# KiCad board procyon_57x80.kicad_pcb (continued)
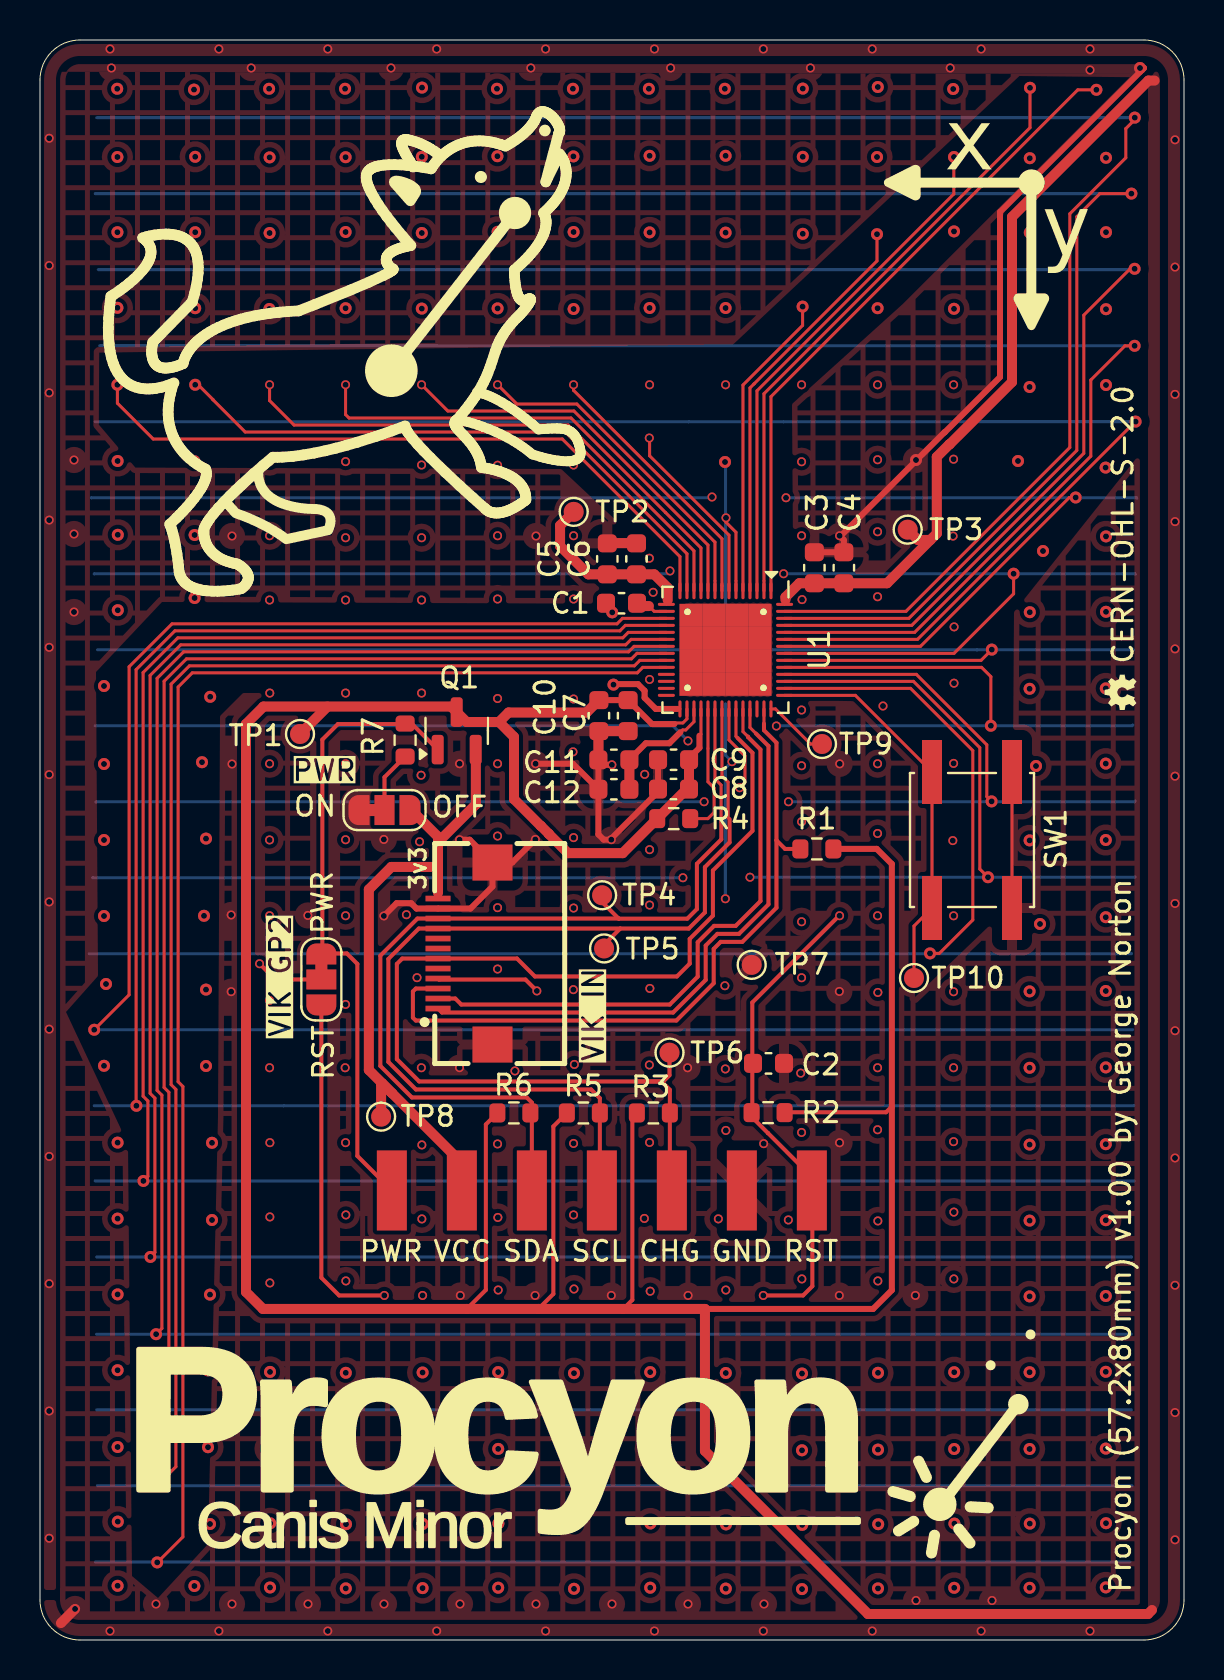
[diagram p0: board, top side]
## Routing (per net, layer and track width the routed paths; a pad name or vN(x,y) marks a point on that pad's centre or on a via; arc(x,y) is an arc through that point) (continued)
/X13: length 113.6
  Top w0.15: U1.14 32,54.17 26.12,60.05 5.66,60.05 3.87,61.84 v2(3.87,62.76)
  In2.Cu w0.15: 3.7,32.8 3.88,32.62 3.88,28.78 3.81,28.71 v2(3.2,28.71) 3.7,28.71 3.88,28.53 v2(3.88,24.87) v2(3.88,21.07) v2(3.88,17.28) v2(3.88,13.49) v2(3.88,9.65) 3.88,5.93 v2(3.89,5.92) 3.89,2.72 v2(3.88,2.71) ; 3.7,32.8 v2(3.3,32.8) ; 3.7,32.8 3.88,32.98 3.88,36.02 3.7,36.2 ; 3.7,36.2 3.88,36.38 3.88,39.82 3.7,40 ; 3.7,36.2 v2(3.2,36.2) ; 3.7,40 3.88,40.18 3.88,43.52 3.6,43.8 v2(3.2,43.8) 3.7,43.8 3.88,43.98 3.88,47.52 3.7,47.7 ; 3.7,40 v2(3.2,40) ; 3.7,47.7 v2(3.2,47.7) ; 3.7,47.7 3.89,47.89 v2(3.89,51.49) v2(3.89,55.26) 3.88,55.27 v2(3.88,58.95) 3.88,62.75 ; v2(3.87,62.76) v2(3.87,66.61) v2(3.87,70.39) v2(3.87,74.15) 3.87,77.55 v2(3.86,77.56)
/XVDD: length 9.1
  Top w0.15: U1.15 31.32,51.93 31.38,52
  Top w0.5: TP2.1 26,55.73 26,54.7 27.42,53.28 C5.1 C6.1 30.71,53.28 31.38,52.61 31.38,52
/Y0: length 87.4
  Top w0.15: U1.55 43.3,51.43 51.49,59.62 51.49,71.31 54.29,74.11 54.29,75.57 54.74,76.02 v2(54.74,76.12) 54.71,76.09
  Bottom w0.15: v2(54.74,76.12) 2.84,76.12
/Y1: length 84.9
  Top w0.15: v2(54.57,72.32) 52.99,72.32 51.84,71.17 51.84,59.48 43.44,51.08 U1.54
  Bottom w0.15: 54.49,72.32 v2(54.57,72.32) 2.76,72.32
/Y2: length 80.9
  Top w0.15: U1.53 43.59,50.73 52.19,59.33 52.19,66.24 54.51,68.56 v2(54.73,68.56)
  Bottom w0.15: 54.65,68.52 54.61,68.52 v2(54.73,68.56) 54.69,68.52 2.92,68.52
/Y3: length 77.4
  Top w0.15: v2(54.73,64.71) 54.25,64.71 52.54,63 52.54,59.19 43.73,50.38 U1.52
  Bottom w0.15: 54.72,64.72 v2(54.73,64.71) 2.99,64.72
/Y4: length 74.1
  Top w0.15: U1.51 43.88,50.03 54.77,60.92 v2(54.78,60.92)
  Bottom w0.15: 54.79,60.91 v2(54.78,60.92) 37.18,60.91 2.75,60.91
/Y5: length 69.9
  Top w0.15: U1.50 44.02,49.68 51.47,57.13 v2(51.78,57.13)
  In2.Cu w0.15: v1(33.6,57.15) 37.26,57.15 v1(37.3,57.11)
  Bottom w0.15: 54.84,57.09 54.82,57.11 v1(37.3,57.11) ; v1(33.6,57.15) 33.56,57.11 2.57,57.11 2.57,57.11
/Y6: length 65.9
  Top w0.15: U1.49 45.7,49.33 48.68,52.31 v2(48.68,53.31)
  In2.Cu w0.15: v1(31.5,53.45) 31.64,53.31 v1(37.18,53.31)
  Bottom w0.15: 54.77,53.29 54.75,53.31 v2(48.68,53.31) v1(37.18,53.31) ; v1(31.5,53.45) 31.36,53.31 2.72,53.31 2.71,53.3
/Y7: length 62.4
  Top w0.15: U1.48 47.05,48.98 v2(47.59,49.52)
  Bottom w0.15: 54.67,49.51 47.6,49.51 v2(47.59,49.52) 47.58,49.51 46.83,49.51 46.83,49.51 2.88,49.51
/Y8: length 65.6
  Top w0.15: U1.47 47.08,48.63 47.54,48.17 v2(47.54,45.71)
  In2.Cu w0.15: v1(32.4,44.96) 33.16,45.71 36.81,45.71 v1(36.82,45.7)
  Bottom w0.15: v1(36.82,45.7) 36.83,45.71 v2(47.54,45.71) 54.6,45.71 54.64,45.75 ; 2.76,45.71 31.64,45.71 v1(32.4,44.96) ; 10.33,45.71 10.29,45.75
/Y9: length 66.5
  Top w0.15: U1.46 43.82,48.28 47.34,44.76 47.34,42.17 v2(47.58,41.93)
  In2.Cu w0.15: v1(33.2,41.91) v1(37.42,41.91)
  Bottom w0.15: v1(33.2,41.91) 2.81,41.91 2.79,41.89 ; v1(37.42,41.91) 54.72,41.91 54.76,41.95
/Y10: length 70
  Top w0.15: U1.45 43.67,47.93 46.99,44.62 46.99,38.55 v2(47.4,38.14)
  In2.Cu w0.15: v1(35.5,38.14) 35.47,38.11 v1(32.14,38.11)
  Bottom w0.15: v1(32.14,38.11) 2.65,38.11 2.64,38.12 ; 10.23,38.11 10.19,38.15 ; 54.76,38.16 54.74,38.14 v2(47.4,38.14) v1(35.5,38.14)
/Y11: length 74.2
  Top w0.15: U1.44 43.53,47.58 46.64,44.47 46.64,36 44.97,34.33 v2(44.5,34.33)
  Bottom w0.15: 54.57,34.32 54.56,34.31 44.52,34.31 v2(44.5,34.33) 44.48,34.31 2.46,34.31 ; 10.23,34.31 10.19,34.35
/Y12: length 98.8
  Top w0.15: v2(2.71,30.51) 4.46,32.26 4.46,48.66 6.6,50.81 28.85,50.81 29.12,51.08 U1.17
  Bottom w0.15: 54.63,30.51 v2(2.71,30.51) 2.53,30.51
/Y13: length 101.2
  Top w0.15: v2(4.82,26.71) 4.8,26.73 4.8,48.52 6.74,50.46 28.99,50.46 29.27,50.73 U1.18
  Bottom w0.15: 54.69,26.73 54.67,26.71 12.19,26.71 12.19,26.71 2.71,26.71
/Y14: length 104.6
  Top w0.15: U1.19 29.41,50.38 29.14,50.11 6.89,50.11 5.16,48.37 5.16,27.19 5.39,26.95 5.39,23.18 v2(5.17,22.95)
  Bottom w0.15: 2.75,22.95 54.71,22.95
/Y15: length 107.6
  Top w0.15: v2(5.52,19.15) 5.75,19.38 5.75,27.09 5.51,27.33 5.51,48.23 7.03,49.76 29.28,49.76 29.56,50.03 U1.20
  Bottom w0.15: 54.57,19.15 54.57,19.15 2.83,19.15
/Y16: length 110.9
  Top w0.15: U1.21 29.7,49.68 29.43,49.41 7.18,49.41 5.86,48.08 5.86,27.48 6.1,27.24 6.1,15.58 v2(5.8,15.29)
  Bottom w0.15: 54.56,15.29 2.83,15.29
/Y17: length 114.2
  Top w0.15: v2(5.82,11.51) 6.45,12.13 6.45,27.38 6.21,27.62 6.21,47.94 7.32,49.06 29.57,49.06 29.85,49.33 U1.22
  Bottom w0.15: 2.84,11.51 v2(5.82,11.51) 54.57,11.51
/Y18: length 117.6
  Top w0.15: U1.23 29.99,48.98 29.72,48.71 7.47,48.71 6.55,47.79 6.55,27.77 6.8,27.53 6.8,8.66 v2(5.84,7.71)
  Bottom w0.15: 54.6,7.71 v2(5.84,7.71) 2.87,7.71
/Y19: length 121
  Top w0.15: 5.87,3.88 5.86,3.87 v2(5.86,3.88) 5.87,3.88 ; 5.87,3.88 7.14,5.16 7.14,27.67 6.91,27.91 6.91,47.65 7.61,48.36 29.86,48.36 30.14,48.63 U1.24
  Bottom w0.15: 54.5,3.9 2.77,3.9
Net-(J2-GPIO_AD2): length 23.1
  Top w0.2: v1(10.98,33.81) 11.76,33.03 JP1.2 ; v1(24.84,32.45) 24.27,33.02 19.95,33.02 J2.4
  In1.Cu w0.2: v1(24.84,32.45) 24.82,32.43 12.36,32.43 v1(10.98,33.81)
Net-(JP2-C): length 3.1
  Top w0.2: R7.1 17.22,43.14 JP2.2
Net-(U1-EXCAP0): length 8.3
  Top w0.15: 31.88,46.55 U1.29
  Top w0.3: v2(28.67,47.77) 28.7,47.79 29.9,47.79 30.23,47.46 30.23,47.11 30.79,46.55 31.88,46.55 ; C1.2 28.61,51.53 v2(28.61,51.38)
  In1.Cu w0.3: v2(28.67,47.77) 28.63,47.81 28.63,51.36 v2(28.61,51.38)
Net-(U1-EXCAP1): length 1.6
  Top w0.15: 30.44,51.7 30.71,51.43 U1.16
  Top w0.5: 30.44,51.7 29.99,51.7 C1.1
Net-(U1-TEST): length 6.6
  Top w0.15: R4.2 33.39,41.07 33.7,41.38 33.7,42.6 33.4,42.91 U1.33
Net-(U1-VDDCORE): length 6.1
  Top w0.15: 32.02,45.39 32.13,45.5 32.29,45.5 32.7,45.91 U1.31
  Top w0.3: 32.02,45.39 31.47,44.84 30.29,44.84 29.47,44.02
  Top w0.5: C12.2 C11.2 29.47,44.02

## Copper pours and planes (outline as drawn; the poured copper is in the pictures)
+3.3V on Top: 55.4,78.3 57.59,79.88 57.59,-0.59 55.4,-0.6
GND on Top: -0.08,79.78 57.68,79.98 55.3,78.3 -0.1,78.41
GND on Top, In1.Cu: 56.4,77.79 55.99,78.79 54.99,79.2 2.21,79.2 1.21,78.79 0.8,77.79 0.8,2.21 1.21,1.21 2.21,0.8 54.99,0.8 55.99,1.21 56.4,2.21
/Guard on Top, Bottom: 55.2,80.8 55.28,80.8 55.51,80.78 55.82,80.73 56.12,80.64 56.41,80.52 56.69,80.37 56.95,80.19 57.18,79.98 57.39,79.75 57.57,79.49 57.72,79.21 57.84,78.92 57.93,78.62 57.98,78.31 58,78.08 58,78 58,2 58,1.92 57.98,1.69 57.93,1.38 57.84,1.08 57.72,0.79 57.57,0.51 57.39,0.25 57.18,0.02 56.95,-0.19 56.69,-0.37 56.41,-0.52 56.12,-0.64 55.82,-0.73 55.51,-0.78 55.28,-0.8 55.2,-0.8 2,-0.8 1.92,-0.8 1.69,-0.78 1.38,-0.73 1.08,-0.64 0.79,-0.52 0.51,-0.37 0.25,-0.19 0.02,0.02 -0.19,0.25 -0.37,0.51 -0.52,0.79 -0.64,1.08 -0.73,1.38 -0.78,1.69 -0.8,1.92 -0.8,2 -0.8,78 -0.8,78.08 -0.78,78.31 -0.73,78.62 -0.64,78.92 -0.52,79.21 -0.37,79.49 -0.19,79.75 0.02,79.98 0.25,80.19 0.51,80.37 0.79,80.52 1.08,80.64 1.38,80.73 1.69,80.78 1.92,80.8 2,80.8 ; 1 cut-out
/X0 on Bottom: 54.99,47.6 53.3,45.91 51.61,47.6 53.3,49.29
/X0 on Bottom: 54.99,28.6 53.3,26.91 51.61,28.6 53.3,30.29
/X0 on Bottom: 54.99,55.2 53.3,53.51 51.61,55.2 53.3,56.89
/X0 on Bottom: 54.99,66.6 53.3,64.91 51.61,66.6 53.3,68.29
/X0 on Bottom: 54.99,9.6 53.3,7.91 51.61,9.6 53.3,11.29
/X0 on Bottom: 54.99,62.8 53.3,61.11 51.61,62.8 53.3,64.49
/X0 on Bottom: 54.99,40 53.3,38.31 51.61,40 53.3,41.69
/X0 on Bottom: 54.99,13.4 53.3,11.71 51.61,13.4 53.3,15.09
/X0 on Bottom: 54.99,32.4 53.3,30.71 51.61,32.4 53.3,34.09
/X0 on Bottom: 54.79,2.19 54.2,2 51.61,2 53.3,3.69
/X0 on Bottom: 54.99,51.4 53.3,49.71 51.61,51.4 53.3,53.09
/X0 on Bottom: 54.99,70.4 53.3,68.71 51.61,70.4 53.3,72.09
/X0 on Bottom: 54.99,5.8 53.3,4.11 51.61,5.8 53.3,7.49
/X0 on Bottom: 54.99,24.8 53.3,23.11 51.61,24.8 53.3,26.49
/X0 on Bottom: 54.99,59 53.3,57.31 51.61,59 53.3,60.69
/X0 on Bottom: 54.99,17.2 53.3,15.51 51.61,17.2 53.3,18.89
/X0 on Bottom: 54.79,77.81 53.3,76.31 51.61,78 54.2,78
/X0 on Bottom: 54.99,36.2 53.3,34.51 51.61,36.2 53.3,37.89
/X0 on Bottom: 54.99,74.2 53.3,72.51 51.61,74.2 53.3,75.89
/X0 on Bottom: 54.99,43.8 53.3,42.11 51.61,43.8 53.3,45.49
/X0 on Bottom: 54.99,21 53.3,19.31 51.61,21 53.3,22.69
/X1 on Bottom: 51.19,47.6 49.5,45.91 47.81,47.6 49.5,49.29
/X1 on Bottom: 51.19,62.8 49.5,61.11 47.81,62.8 49.5,64.49
/X1 on Bottom: 51.19,9.6 49.5,7.91 47.81,9.6 49.5,11.29
/X1 on Bottom: 51.19,24.8 49.5,23.11 47.81,24.8 49.5,26.49
/X1 on Bottom: 51.19,28.6 49.5,26.91 47.81,28.6 49.5,30.29
/X1 on Bottom: 51.19,17.2 49.5,15.51 47.81,17.2 49.5,18.89
/X1 on Bottom: 51.19,2 47.81,2 49.5,3.69
/X1 on Bottom: 51.19,32.4 49.5,30.71 47.81,32.4 49.5,34.09
/X1 on Bottom: 49.5,76.31 47.81,78 51.19,78
/X1 on Bottom: 51.19,5.8 49.5,4.11 47.81,5.8 49.5,7.49
/X1 on Bottom: 51.19,55.2 49.5,53.51 47.81,55.2 49.5,56.89
/X1 on Bottom: 51.19,70.4 49.5,68.71 47.81,70.4 49.5,72.09
/X1 on Bottom: 51.19,66.6 49.5,64.91 47.81,66.6 49.5,68.29
/X1 on Bottom: 51.19,43.8 49.5,42.11 47.81,43.8 49.5,45.49
/X1 on Bottom: 51.19,74.2 49.5,72.51 47.81,74.2 49.5,75.89
/X1 on Bottom: 51.19,21 49.5,19.31 47.81,21 49.5,22.69
/X1 on Bottom: 51.19,59 49.5,57.31 47.81,59 49.5,60.69
/X1 on Bottom: 51.19,36.2 49.5,34.51 47.81,36.2 49.5,37.89
/X1 on Bottom: 51.19,40 49.5,38.31 47.81,40 49.5,41.69
/X1 on Bottom: 51.19,51.4 49.5,49.71 47.81,51.4 49.5,53.09
/X1 on Bottom: 51.19,13.4 49.5,11.71 47.81,13.4 49.5,15.09
/X2 on Bottom: 47.39,9.6 45.7,7.91 44.01,9.6 45.7,11.29
/X2 on Bottom: 47.39,36.2 45.7,34.51 44.01,36.2 45.7,37.89
/X2 on Bottom: 47.39,55.2 45.7,53.51 44.01,55.2 45.7,56.89
/X2 on Bottom: 47.39,59 45.7,57.31 44.01,59 45.7,60.69
/X2 on Bottom: 47.39,5.8 45.7,4.11 44.01,5.8 45.7,7.49
/X2 on Bottom: 47.39,24.8 45.7,23.11 44.01,24.8 45.7,26.49
/X2 on Bottom: 47.39,2 44.01,2 45.7,3.69
/X2 on Bottom: 47.39,74.2 45.7,72.51 44.01,74.2 45.7,75.89
/X2 on Bottom: 47.39,40 45.7,38.31 44.01,40 45.7,41.69
/X2 on Bottom: 47.39,21 45.7,19.31 44.01,21 45.7,22.69
/X2 on Bottom: 45.7,76.31 44.01,78 47.39,78
/X2 on Bottom: 47.39,51.4 45.7,49.71 44.01,51.4 45.7,53.09
/X2 on Bottom: 47.39,47.6 45.7,45.91 44.01,47.6 45.7,49.29
/X2 on Bottom: 47.39,32.4 45.7,30.71 44.01,32.4 45.7,34.09
/X2 on Bottom: 47.39,43.8 45.7,42.11 44.01,43.8 45.7,45.49
/X2 on Bottom: 47.39,70.4 45.7,68.71 44.01,70.4 45.7,72.09
/X2 on Bottom: 47.39,66.6 45.7,64.91 44.01,66.6 45.7,68.29
/X2 on Bottom: 47.39,62.8 45.7,61.11 44.01,62.8 45.7,64.49
/X2 on Bottom: 47.39,17.2 45.7,15.51 44.01,17.2 45.7,18.89
/X2 on Bottom: 47.39,28.6 45.7,26.91 44.01,28.6 45.7,30.29
/X2 on Bottom: 47.39,13.4 45.7,11.71 44.01,13.4 45.7,15.09
/X3 on Bottom: 43.59,74.2 41.9,72.51 40.21,74.2 41.9,75.89
/X3 on Bottom: 43.59,59 41.9,57.31 40.21,59 41.9,60.69
/X3 on Bottom: 43.59,5.8 41.9,4.11 40.21,5.8 41.9,7.49
/X3 on Bottom: 43.59,21 41.9,19.31 40.21,21 41.9,22.69
/X3 on Bottom: 43.59,43.8 41.9,42.11 40.21,43.8 41.9,45.49
/X3 on Bottom: 43.59,51.4 41.9,49.71 40.21,51.4 41.9,53.09
/X3 on Bottom: 43.59,47.6 41.9,45.91 40.21,47.6 41.9,49.29
/X3 on Bottom: 43.59,32.4 41.9,30.71 40.21,32.4 41.9,34.09
/X3 on Bottom: 43.59,13.4 41.9,11.71 40.21,13.4 41.9,15.09
/X3 on Bottom: 43.59,40 41.9,38.31 40.21,40 41.9,41.69
/X3 on Bottom: 43.59,2 40.21,2 41.9,3.69
/X3 on Bottom: 43.59,55.2 41.9,53.51 40.21,55.2 41.9,56.89
/X3 on Bottom: 43.59,62.8 41.9,61.11 40.21,62.8 41.9,64.49
/X3 on Bottom: 43.59,70.4 41.9,68.71 40.21,70.4 41.9,72.09
/X3 on Bottom: 43.59,9.6 41.9,7.91 40.21,9.6 41.9,11.29
/X3 on Bottom: 43.59,28.6 41.9,26.91 40.21,28.6 41.9,30.29
/X3 on Bottom: 43.59,24.8 41.9,23.11 40.21,24.8 41.9,26.49
/X3 on Bottom: 41.9,76.31 40.21,78 43.59,78
/X3 on Bottom: 43.59,36.2 41.9,34.51 40.21,36.2 41.9,37.89
/X3 on Bottom: 43.59,17.2 41.9,15.51 40.21,17.2 41.9,18.89
/X3 on Bottom: 43.59,66.6 41.9,64.91 40.21,66.6 41.9,68.29
/X4 on Bottom: 39.79,74.2 38.1,72.51 36.41,74.2 38.1,75.89
/X4 on Bottom: 39.79,28.6 38.1,26.91 36.41,28.6 38.1,30.29
/X4 on Bottom: 39.79,13.4 38.1,11.71 36.41,13.4 38.1,15.09
/X4 on Bottom: 39.79,5.8 38.1,4.11 36.41,5.8 38.1,7.49
/X4 on Bottom: 39.79,36.2 38.1,34.51 36.41,36.2 38.1,37.89
/X4 on Bottom: 39.79,47.6 38.1,45.91 36.41,47.6 38.1,49.29
/X4 on Bottom: 39.79,9.6 38.1,7.91 36.41,9.6 38.1,11.29
/X4 on Bottom: 39.79,17.2 38.1,15.51 36.41,17.2 38.1,18.89
/X4 on Bottom: 39.79,21 38.1,19.31 36.41,21 38.1,22.69
/X4 on Bottom: 39.79,70.4 38.1,68.71 36.41,70.4 38.1,72.09
/X4 on Bottom: 39.79,59 38.1,57.31 36.41,59 38.1,60.69
/X4 on Bottom: 39.79,24.8 38.1,23.11 36.41,24.8 38.1,26.49
/X4 on Bottom: 39.79,55.2 38.1,53.51 36.41,55.2 38.1,56.89
/X4 on Bottom: 39.79,43.8 38.1,42.11 36.41,43.8 38.1,45.49
/X4 on Bottom: 39.79,62.8 38.1,61.11 36.41,62.8 38.1,64.49
/X4 on Bottom: 39.79,51.4 38.1,49.71 36.41,51.4 38.1,53.09
/X4 on Bottom: 38.1,76.31 36.41,78 39.79,78
/X4 on Bottom: 39.79,40 38.1,38.31 36.41,40 38.1,41.69
/X4 on Bottom: 39.79,2 36.41,2 38.1,3.69
/X4 on Bottom: 39.79,32.4 38.1,30.71 36.41,32.4 38.1,34.09
/X4 on Bottom: 39.79,66.6 38.1,64.91 36.41,66.6 38.1,68.29
/X5 on Bottom: 35.99,21 34.3,19.31 32.61,21 34.3,22.69
/X5 on Bottom: 35.99,13.4 34.3,11.71 32.61,13.4 34.3,15.09
/X5 on Bottom: 35.99,47.6 34.3,45.91 32.61,47.6 34.3,49.29
/X5 on Bottom: 35.99,66.6 34.3,64.91 32.61,66.6 34.3,68.29
/X5 on Bottom: 34.3,76.31 32.61,78 35.99,78
/X5 on Bottom: 35.99,70.4 34.3,68.71 32.61,70.4 34.3,72.09
/X5 on Bottom: 35.99,2 32.61,2 34.3,3.69
/X5 on Bottom: 35.99,62.8 34.3,61.11 32.61,62.8 34.3,64.49
/X5 on Bottom: 35.99,28.6 34.3,26.91 32.61,28.6 34.3,30.29
/X5 on Bottom: 35.99,43.8 34.3,42.11 32.61,43.8 34.3,45.49
/X5 on Bottom: 35.99,40 34.3,38.31 32.61,40 34.3,41.69
/X5 on Bottom: 35.99,55.2 34.3,53.51 32.61,55.2 34.3,56.89
/X5 on Bottom: 35.99,24.8 34.3,23.11 32.61,24.8 34.3,26.49
/X5 on Bottom: 35.99,5.8 34.3,4.11 32.61,5.8 34.3,7.49
/X5 on Bottom: 35.99,59 34.3,57.31 32.61,59 34.3,60.69
/X5 on Bottom: 35.99,74.2 34.3,72.51 32.61,74.2 34.3,75.89
/X5 on Bottom: 35.99,36.2 34.3,34.51 32.61,36.2 34.3,37.89
/X5 on Bottom: 35.99,51.4 34.3,49.71 32.61,51.4 34.3,53.09
/X5 on Bottom: 35.99,17.2 34.3,15.51 32.61,17.2 34.3,18.89
/X5 on Bottom: 35.99,9.6 34.3,7.91 32.61,9.6 34.3,11.29
/X5 on Bottom: 35.99,32.4 34.3,30.71 32.61,32.4 34.3,34.09
/X6 on Bottom: 32.19,59 30.5,57.31 28.81,59 30.5,60.69
/X6 on Bottom: 32.19,5.8 30.5,4.11 28.81,5.8 30.5,7.49
/X6 on Bottom: 32.19,21 30.5,19.31 28.81,21 30.5,22.69
/X6 on Bottom: 32.19,32.4 30.5,30.71 28.81,32.4 30.5,34.09
/X6 on Bottom: 32.19,43.8 30.5,42.11 28.81,43.8 30.5,45.49
/X6 on Bottom: 32.19,47.6 30.5,45.91 28.81,47.6 30.5,49.29
/X6 on Bottom: 32.19,36.2 30.5,34.51 28.81,36.2 30.5,37.89
/X6 on Bottom: 32.19,28.6 30.5,26.91 28.81,28.6 30.5,30.29
/X6 on Bottom: 32.19,9.6 30.5,7.91 28.81,9.6 30.5,11.29
/X6 on Bottom: 32.19,13.4 30.5,11.71 28.81,13.4 30.5,15.09
/X6 on Bottom: 32.19,17.2 30.5,15.51 28.81,17.2 30.5,18.89
/X6 on Bottom: 32.19,24.8 30.5,23.11 28.81,24.8 30.5,26.49
/X6 on Bottom: 32.19,70.4 30.5,68.71 28.81,70.4 30.5,72.09
/X6 on Bottom: 32.19,62.8 30.5,61.11 28.81,62.8 30.5,64.49
/X6 on Bottom: 32.19,66.6 30.5,64.91 28.81,66.6 30.5,68.29
/X6 on Bottom: 32.19,40 30.5,38.31 28.81,40 30.5,41.69
/X6 on Bottom: 32.19,74.2 30.5,72.51 28.81,74.2 30.5,75.89
/X6 on Bottom: 30.5,76.31 28.81,78 32.19,78
/X6 on Bottom: 32.19,2 28.81,2 30.5,3.69
/X6 on Bottom: 32.19,51.4 30.5,49.71 28.81,51.4 30.5,53.09
/X6 on Bottom: 32.19,55.2 30.5,53.51 28.81,55.2 30.5,56.89
/X7 on Bottom: 28.39,55.2 26.7,53.51 25.01,55.2 26.7,56.89
/X7 on Bottom: 28.39,9.6 26.7,7.91 25.01,9.6 26.7,11.29
/X7 on Bottom: 28.39,24.8 26.7,23.11 25.01,24.8 26.7,26.49
/X7 on Bottom: 28.39,70.4 26.7,68.71 25.01,70.4 26.7,72.09
/X7 on Bottom: 28.39,40 26.7,38.31 25.01,40 26.7,41.69
/X7 on Bottom: 28.39,66.6 26.7,64.91 25.01,66.6 26.7,68.29
/X7 on Bottom: 28.39,2 25.01,2 26.7,3.69
/X7 on Bottom: 28.39,13.4 26.7,11.71 25.01,13.4 26.7,15.09
/X7 on Bottom: 28.39,74.2 26.7,72.51 25.01,74.2 26.7,75.89
/X7 on Bottom: 28.39,51.4 26.7,49.71 25.01,51.4 26.7,53.09
/X7 on Bottom: 28.39,21 26.7,19.31 25.01,21 26.7,22.69
/X7 on Bottom: 28.39,28.6 26.7,26.91 25.01,28.6 26.7,30.29
/X7 on Bottom: 28.39,59 26.7,57.31 25.01,59 26.7,60.69
/X7 on Bottom: 28.39,62.8 26.7,61.11 25.01,62.8 26.7,64.49
/X7 on Bottom: 26.7,76.31 25.01,78 28.39,78
/X7 on Bottom: 28.39,5.8 26.7,4.11 25.01,5.8 26.7,7.49
/X7 on Bottom: 28.39,47.6 26.7,45.91 25.01,47.6 26.7,49.29
/X7 on Bottom: 28.39,36.2 26.7,34.51 25.01,36.2 26.7,37.89
/X7 on Bottom: 28.39,17.2 26.7,15.51 25.01,17.2 26.7,18.89
/X7 on Bottom: 28.39,43.8 26.7,42.11 25.01,43.8 26.7,45.49
/X7 on Bottom: 28.39,32.4 26.7,30.71 25.01,32.4 26.7,34.09
/X8 on Bottom: 24.59,32.4 22.9,30.71 21.21,32.4 22.9,34.09
/X8 on Bottom: 24.59,36.2 22.9,34.51 21.21,36.2 22.9,37.89
/X8 on Bottom: 24.59,74.2 22.9,72.51 21.21,74.2 22.9,75.89
/X8 on Bottom: 24.59,28.6 22.9,26.91 21.21,28.6 22.9,30.29
/X8 on Bottom: 24.59,62.8 22.9,61.11 21.21,62.8 22.9,64.49
/X8 on Bottom: 24.59,47.6 22.9,45.91 21.21,47.6 22.9,49.29
/X8 on Bottom: 24.59,55.2 22.9,53.51 21.21,55.2 22.9,56.89
/X8 on Bottom: 24.59,66.6 22.9,64.91 21.21,66.6 22.9,68.29
/X8 on Bottom: 24.59,59 22.9,57.31 21.21,59 22.9,60.69
/X8 on Bottom: 24.59,13.4 22.9,11.71 21.21,13.4 22.9,15.09
/X8 on Bottom: 24.59,43.8 22.9,42.11 21.21,43.8 22.9,45.49
/X8 on Bottom: 24.59,5.8 22.9,4.11 21.21,5.8 22.9,7.49
/X8 on Bottom: 24.59,2 21.21,2 22.9,3.69
/X8 on Bottom: 24.59,21 22.9,19.31 21.21,21 22.9,22.69
/X8 on Bottom: 24.59,51.4 22.9,49.71 21.21,51.4 22.9,53.09
/X8 on Bottom: 22.9,76.31 21.21,78 24.59,78
/X8 on Bottom: 24.59,17.2 22.9,15.51 21.21,17.2 22.9,18.89
/X8 on Bottom: 24.59,70.4 22.9,68.71 21.21,70.4 22.9,72.09
/X8 on Bottom: 24.59,9.6 22.9,7.91 21.21,9.6 22.9,11.29
/X8 on Bottom: 24.59,24.8 22.9,23.11 21.21,24.8 22.9,26.49
/X8 on Bottom: 24.59,40 22.9,38.31 21.21,40 22.9,41.69
/X9 on Bottom: 20.79,9.6 19.1,7.91 17.41,9.6 19.1,11.29
/X9 on Bottom: 20.79,36.2 19.1,34.51 17.41,36.2 19.1,37.89
/X9 on Bottom: 20.79,74.2 19.1,72.51 17.41,74.2 19.1,75.89
/X9 on Bottom: 20.79,17.2 19.1,15.51 17.41,17.2 19.1,18.89
/X9 on Bottom: 20.79,47.6 19.1,45.91 17.41,47.6 19.1,49.29
/X9 on Bottom: 20.79,28.6 19.1,26.91 17.41,28.6 19.1,30.29
/X9 on Bottom: 20.79,51.4 19.1,49.71 17.41,51.4 19.1,53.09
/X9 on Bottom: 20.79,66.6 19.1,64.91 17.41,66.6 19.1,68.29
/X9 on Bottom: 20.79,55.2 19.1,53.51 17.41,55.2 19.1,56.89
/X9 on Bottom: 20.79,5.8 19.1,4.11 17.41,5.8 19.1,7.49
/X9 on Bottom: 20.79,62.8 19.1,61.11 17.41,62.8 19.1,64.49
/X9 on Bottom: 20.79,13.4 19.1,11.71 17.41,13.4 19.1,15.09
/X9 on Bottom: 20.79,40 19.1,38.31 17.41,40 19.1,41.69
/X9 on Bottom: 20.79,2 17.41,2 19.1,3.69
/X9 on Bottom: 20.79,32.4 19.1,30.71 17.41,32.4 19.1,34.09
/X9 on Bottom: 20.79,21 19.1,19.31 17.41,21 19.1,22.69
/X9 on Bottom: 19.1,76.31 17.41,78 20.79,78
/X9 on Bottom: 20.79,24.8 19.1,23.11 17.41,24.8 19.1,26.49
/X9 on Bottom: 20.79,43.8 19.1,42.11 17.41,43.8 19.1,45.49
/X9 on Bottom: 20.79,59 19.1,57.31 17.41,59 19.1,60.69
/X9 on Bottom: 20.79,70.4 19.1,68.71 17.41,70.4 19.1,72.09
/X10 on Bottom: 16.99,74.2 15.3,72.51 13.61,74.2 15.3,75.89
/X10 on Bottom: 16.99,47.6 15.3,45.91 13.61,47.6 15.3,49.29
/X10 on Bottom: 15.3,76.31 13.61,78 16.99,78
/X10 on Bottom: 16.99,70.4 15.3,68.71 13.61,70.4 15.3,72.09
/X10 on Bottom: 16.99,28.6 15.3,26.91 13.61,28.6 15.3,30.29
/X10 on Bottom: 16.99,9.6 15.3,7.91 13.61,9.6 15.3,11.29
/X10 on Bottom: 16.99,13.4 15.3,11.71 13.61,13.4 15.3,15.09
/X10 on Bottom: 16.99,51.4 15.3,49.71 13.61,51.4 15.3,53.09
/X10 on Bottom: 16.99,32.4 15.3,30.71 13.61,32.4 15.3,34.09
/X10 on Bottom: 16.99,40 15.3,38.31 13.61,40 15.3,41.69
/X10 on Bottom: 16.99,43.8 15.3,42.11 13.61,43.8 15.3,45.49
/X10 on Bottom: 16.99,59 15.3,57.31 13.61,59 15.3,60.69
/X10 on Bottom: 16.99,2 13.61,2 15.3,3.69
/X10 on Bottom: 16.99,55.2 15.3,53.51 13.61,55.2 15.3,56.89
/X10 on Bottom: 16.99,62.8 15.3,61.11 13.61,62.8 15.3,64.49
/X10 on Bottom: 16.99,24.8 15.3,23.11 13.61,24.8 15.3,26.49
/X10 on Bottom: 16.99,36.2 15.3,34.51 13.61,36.2 15.3,37.89
/X10 on Bottom: 16.99,5.8 15.3,4.11 13.61,5.8 15.3,7.49
/X10 on Bottom: 16.99,21 15.3,19.31 13.61,21 15.3,22.69
/X10 on Bottom: 16.99,17.2 15.3,15.51 13.61,17.2 15.3,18.89
/X10 on Bottom: 16.99,66.6 15.3,64.91 13.61,66.6 15.3,68.29
/X11 on Bottom: 13.19,59 11.5,57.31 9.81,59 11.5,60.69
/X11 on Bottom: 13.19,5.8 11.5,4.11 9.81,5.8 11.5,7.49
/X11 on Bottom: 13.19,17.2 11.5,15.51 9.81,17.2 11.5,18.89
/X11 on Bottom: 13.19,21 11.5,19.31 9.81,21 11.5,22.69
/X11 on Bottom: 13.19,51.4 11.5,49.71 9.81,51.4 11.5,53.09
/X11 on Bottom: 13.19,66.6 11.5,64.91 9.81,66.6 11.5,68.29
/X11 on Bottom: 13.19,13.4 11.5,11.71 9.81,13.4 11.5,15.09
/X11 on Bottom: 13.19,40 11.5,38.31 9.81,40 11.5,41.69
/X11 on Bottom: 13.19,70.4 11.5,68.71 9.81,70.4 11.5,72.09
/X11 on Bottom: 13.19,74.2 11.5,72.51 9.81,74.2 11.5,75.89
/X11 on Bottom: 13.19,2 9.81,2 11.5,3.69
/X11 on Bottom: 13.19,24.8 11.5,23.11 9.81,24.8 11.5,26.49
/X11 on Bottom: 13.19,9.6 11.5,7.91 9.81,9.6 11.5,11.29
/X11 on Bottom: 13.19,32.4 11.5,30.71 9.81,32.4 11.5,34.09
/X11 on Bottom: 13.19,62.8 11.5,61.11 9.81,62.8 11.5,64.49
/X11 on Bottom: 13.19,43.8 11.5,42.11 9.81,43.8 11.5,45.49
/X11 on Bottom: 13.19,28.6 11.5,26.91 9.81,28.6 11.5,30.29
/X11 on Bottom: 13.19,36.2 11.5,34.51 9.81,36.2 11.5,37.89
/X11 on Bottom: 13.19,47.6 11.5,45.91 9.81,47.6 11.5,49.29
/X11 on Bottom: 13.19,55.2 11.5,53.51 9.81,55.2 11.5,56.89
/X11 on Bottom: 11.5,76.31 9.81,78 13.19,78
/X12 on Bottom: 9.39,47.6 7.7,45.91 6.01,47.6 7.7,49.29
/X12 on Bottom: 9.39,9.6 7.7,7.91 6.01,9.6 7.7,11.29
/X12 on Bottom: 9.39,43.8 7.7,42.11 6.01,43.8 7.7,45.49
/X12 on Bottom: 9.39,59 7.7,57.31 6.01,59 7.7,60.69
/X12 on Bottom: 9.39,66.6 7.7,64.91 6.01,66.6 7.7,68.29
/X12 on Bottom: 9.39,24.8 7.7,23.11 6.01,24.8 7.7,26.49
/X12 on Bottom: 9.39,28.6 7.7,26.91 6.01,28.6 7.7,30.29
/X12 on Bottom: 9.39,5.8 7.7,4.11 6.01,5.8 7.7,7.49
/X12 on Bottom: 9.39,62.8 7.7,61.11 6.01,62.8 7.7,64.49
/X12 on Bottom: 9.39,40 7.7,38.31 6.01,40 7.7,41.69
/X12 on Bottom: 9.39,17.2 7.7,15.51 6.01,17.2 7.7,18.89
/X12 on Bottom: 9.39,36.2 7.7,34.51 6.01,36.2 7.7,37.89
/X12 on Bottom: 9.39,74.2 7.7,72.51 6.01,74.2 7.7,75.89
/X12 on Bottom: 9.39,32.4 7.7,30.71 6.01,32.4 7.7,34.09
/X12 on Bottom: 7.7,76.31 6.01,78 9.39,78
/X12 on Bottom: 9.39,21 7.7,19.31 6.01,21 7.7,22.69
/X12 on Bottom: 9.39,13.4 7.7,11.71 6.01,13.4 7.7,15.09
/X12 on Bottom: 9.39,51.4 7.7,49.71 6.01,51.4 7.7,53.09
/X12 on Bottom: 9.39,55.2 7.7,53.51 6.01,55.2 7.7,56.89
/X12 on Bottom: 9.39,2 6.01,2 7.7,3.69
/X12 on Bottom: 9.39,70.4 7.7,68.71 6.01,70.4 7.7,72.09
/X13 on Bottom: 5.59,5.8 3.9,4.11 2.21,5.8 3.9,7.49
/X13 on Bottom: 5.59,43.8 3.9,42.11 2.21,43.8 3.9,45.49
/X13 on Bottom: 5.59,70.4 3.9,68.71 2.21,70.4 3.9,72.09
/X13 on Bottom: 5.59,24.8 3.9,23.11 2.21,24.8 3.9,26.49
/X13 on Bottom: 5.59,66.6 3.9,64.91 2.21,66.6 3.9,68.29
/X13 on Bottom: 5.59,40 3.9,38.31 2.21,40 3.9,41.69
/X13 on Bottom: 5.59,47.6 3.9,45.91 2.21,47.6 3.9,49.29
/X13 on Bottom: 5.59,51.4 3.9,49.71 2.21,51.4 3.9,53.09
/X13 on Bottom: 5.59,21 3.9,19.31 2.21,21 3.9,22.69
/X13 on Bottom: 5.59,59 3.9,57.31 2.21,59 3.9,60.69
/X13 on Bottom: 5.59,74.2 3.9,72.51 2.21,74.2 3.9,75.89
/X13 on Bottom: 5.59,17.2 3.9,15.51 2.21,17.2 3.9,18.89
/X13 on Bottom: 5.59,55.2 3.9,53.51 2.21,55.2 3.9,56.89
/X13 on Bottom: 5.59,36.2 3.9,34.51 2.21,36.2 3.9,37.89
/X13 on Bottom: 5.59,13.4 3.9,11.71 2.21,13.4 3.9,15.09
/X13 on Bottom: 5.59,28.6 3.9,26.91 2.21,28.6 3.9,30.29
/X13 on Bottom: 5.59,32.4 3.9,30.71 2.21,32.4 3.9,34.09
/X13 on Bottom: 5.59,9.6 3.9,7.91 2.21,9.6 3.9,11.29
/X13 on Bottom: 5.59,2 3,2 2.41,2.19 3.9,3.69
/X13 on Bottom: 3.9,76.31 2.41,77.81 3,78 5.59,78
/X13 on Bottom: 5.59,62.8 3.9,61.11 2.21,62.8 3.9,64.49
/Y0 on Bottom: 15.09,76.1 13.4,74.41 11.71,76.1 13.4,77.79
/Y0 on Bottom: 18.89,76.1 17.2,74.41 15.51,76.1 17.2,77.79
/Y0 on Bottom: 7.49,76.1 5.8,74.41 4.11,76.1 5.8,77.79
/Y0 on Bottom: 11.29,76.1 9.6,74.41 7.91,76.1 9.6,77.79
/Y0 on Bottom: 53.09,76.1 51.4,74.41 49.71,76.1 51.4,77.79
/Y0 on Bottom: 26.49,76.1 24.8,74.41 23.11,76.1 24.8,77.79
/Y0 on Bottom: 22.69,76.1 21,74.41 19.31,76.1 21,77.79
/Y0 on Bottom: 37.89,76.1 36.2,74.41 34.51,76.1 36.2,77.79
/Y0 on Bottom: 49.29,76.1 47.6,74.41 45.91,76.1 47.6,77.79
/Y0 on Bottom: 3.69,76.1 2,74.41 2,77 2.19,77.59
/Y0 on Bottom: 34.09,76.1 32.4,74.41 30.71,76.1 32.4,77.79
/Y0 on Bottom: 30.29,76.1 28.6,74.41 26.91,76.1 28.6,77.79
/Y0 on Bottom: 41.69,76.1 40,74.41 38.31,76.1 40,77.79
/Y0 on Bottom: 55.2,77 55.2,74.41 53.51,76.1 55.01,77.59
/Y0 on Bottom: 45.49,76.1 43.8,74.41 42.11,76.1 43.8,77.79
/Y1 on Bottom: 45.49,72.3 43.8,70.61 42.11,72.3 43.8,73.99
/Y1 on Bottom: 15.09,72.3 13.4,70.61 11.71,72.3 13.4,73.99
/Y1 on Bottom: 49.29,72.3 47.6,70.61 45.91,72.3 47.6,73.99
/Y1 on Bottom: 30.29,72.3 28.6,70.61 26.91,72.3 28.6,73.99
/Y1 on Bottom: 26.49,72.3 24.8,70.61 23.11,72.3 24.8,73.99
/Y1 on Bottom: 3.69,72.3 2,70.61 2,73.99
/Y1 on Bottom: 18.89,72.3 17.2,70.61 15.51,72.3 17.2,73.99
/Y1 on Bottom: 11.29,72.3 9.6,70.61 7.91,72.3 9.6,73.99
/Y1 on Bottom: 41.69,72.3 40,70.61 38.31,72.3 40,73.99
/Y1 on Bottom: 37.89,72.3 36.2,70.61 34.51,72.3 36.2,73.99
/Y1 on Bottom: 22.69,72.3 21,70.61 19.31,72.3 21,73.99
/Y1 on Bottom: 34.09,72.3 32.4,70.61 30.71,72.3 32.4,73.99
/Y1 on Bottom: 53.09,72.3 51.4,70.61 49.71,72.3 51.4,73.99
/Y1 on Bottom: 55.2,70.61 53.51,72.3 55.2,73.99
/Y1 on Bottom: 7.49,72.3 5.8,70.61 4.11,72.3 5.8,73.99
/Y2 on Bottom: 26.49,68.5 24.8,66.81 23.11,68.5 24.8,70.19
/Y2 on Bottom: 49.29,68.5 47.6,66.81 45.91,68.5 47.6,70.19
/Y2 on Bottom: 45.49,68.5 43.8,66.81 42.11,68.5 43.8,70.19
/Y2 on Bottom: 22.69,68.5 21,66.81 19.31,68.5 21,70.19
/Y2 on Bottom: 18.89,68.5 17.2,66.81 15.51,68.5 17.2,70.19
/Y2 on Bottom: 7.49,68.5 5.8,66.81 4.11,68.5 5.8,70.19
/Y2 on Bottom: 30.29,68.5 28.6,66.81 26.91,68.5 28.6,70.19
/Y2 on Bottom: 11.29,68.5 9.6,66.81 7.91,68.5 9.6,70.19
/Y2 on Bottom: 3.69,68.5 2,66.81 2,70.19
/Y2 on Bottom: 34.09,68.5 32.4,66.81 30.71,68.5 32.4,70.19
/Y2 on Bottom: 41.69,68.5 40,66.81 38.31,68.5 40,70.19
/Y2 on Bottom: 15.09,68.5 13.4,66.81 11.71,68.5 13.4,70.19
/Y2 on Bottom: 37.89,68.5 36.2,66.81 34.51,68.5 36.2,70.19
/Y2 on Bottom: 55.2,66.81 53.51,68.5 55.2,70.19
/Y2 on Bottom: 53.09,68.5 51.4,66.81 49.71,68.5 51.4,70.19
/Y3 on Bottom: 41.69,64.7 40,63.01 38.31,64.7 40,66.39
/Y3 on Bottom: 45.49,64.7 43.8,63.01 42.11,64.7 43.8,66.39
/Y3 on Bottom: 30.29,64.7 28.6,63.01 26.91,64.7 28.6,66.39
/Y3 on Bottom: 34.09,64.7 32.4,63.01 30.71,64.7 32.4,66.39
/Y3 on Bottom: 37.89,64.7 36.2,63.01 34.51,64.7 36.2,66.39
/Y3 on Bottom: 18.89,64.7 17.2,63.01 15.51,64.7 17.2,66.39
/Y3 on Bottom: 22.69,64.7 21,63.01 19.31,64.7 21,66.39
/Y3 on Bottom: 26.49,64.7 24.8,63.01 23.11,64.7 24.8,66.39
/Y3 on Bottom: 15.09,64.7 13.4,63.01 11.71,64.7 13.4,66.39
/Y3 on Bottom: 11.29,64.7 9.6,63.01 7.91,64.7 9.6,66.39
/Y3 on Bottom: 49.29,64.7 47.6,63.01 45.91,64.7 47.6,66.39
/Y3 on Bottom: 55.2,63.01 53.51,64.7 55.2,66.39
/Y3 on Bottom: 3.69,64.7 2,63.01 2,66.39
/Y3 on Bottom: 53.09,64.7 51.4,63.01 49.71,64.7 51.4,66.39
/Y3 on Bottom: 7.49,64.7 5.8,63.01 4.11,64.7 5.8,66.39
/Y4 on Bottom: 37.89,60.9 36.2,59.21 34.51,60.9 36.2,62.59
/Y4 on Bottom: 22.69,60.9 21,59.21 19.31,60.9 21,62.59
/Y4 on Bottom: 26.49,60.9 24.8,59.21 23.11,60.9 24.8,62.59
/Y4 on Bottom: 15.09,60.9 13.4,59.21 11.71,60.9 13.4,62.59
/Y4 on Bottom: 34.09,60.9 32.4,59.21 30.71,60.9 32.4,62.59
/Y4 on Bottom: 55.2,59.21 53.51,60.9 55.2,62.59
/Y4 on Bottom: 41.69,60.9 40,59.21 38.31,60.9 40,62.59
/Y4 on Bottom: 3.69,60.9 2,59.21 2,62.59
/Y4 on Bottom: 30.29,60.9 28.6,59.21 26.91,60.9 28.6,62.59
/Y4 on Bottom: 18.89,60.9 17.2,59.21 15.51,60.9 17.2,62.59
/Y4 on Bottom: 7.49,60.9 5.8,59.21 4.11,60.9 5.8,62.59
/Y4 on Bottom: 45.49,60.9 43.8,59.21 42.11,60.9 43.8,62.59
/Y4 on Bottom: 49.29,60.9 47.6,59.21 45.91,60.9 47.6,62.59
/Y4 on Bottom: 53.09,60.9 51.4,59.21 49.71,60.9 51.4,62.59
/Y4 on Bottom: 11.29,60.9 9.6,59.21 7.91,60.9 9.6,62.59
/Y5 on Bottom: 7.49,57.1 5.8,55.41 4.11,57.1 5.8,58.79
/Y5 on Bottom: 37.89,57.1 36.2,55.41 34.51,57.1 36.2,58.79
/Y5 on Bottom: 30.29,57.1 28.6,55.41 26.91,57.1 28.6,58.79
/Y5 on Bottom: 26.49,57.1 24.8,55.41 23.11,57.1 24.8,58.79
/Y5 on Bottom: 22.69,57.1 21,55.41 19.31,57.1 21,58.79
/Y5 on Bottom: 15.09,57.1 13.4,55.41 11.71,57.1 13.4,58.79
/Y5 on Bottom: 49.29,57.1 47.6,55.41 45.91,57.1 47.6,58.79
